# KiCad board BAGEL-MK1.1-revA.kicad_pcb (continued)
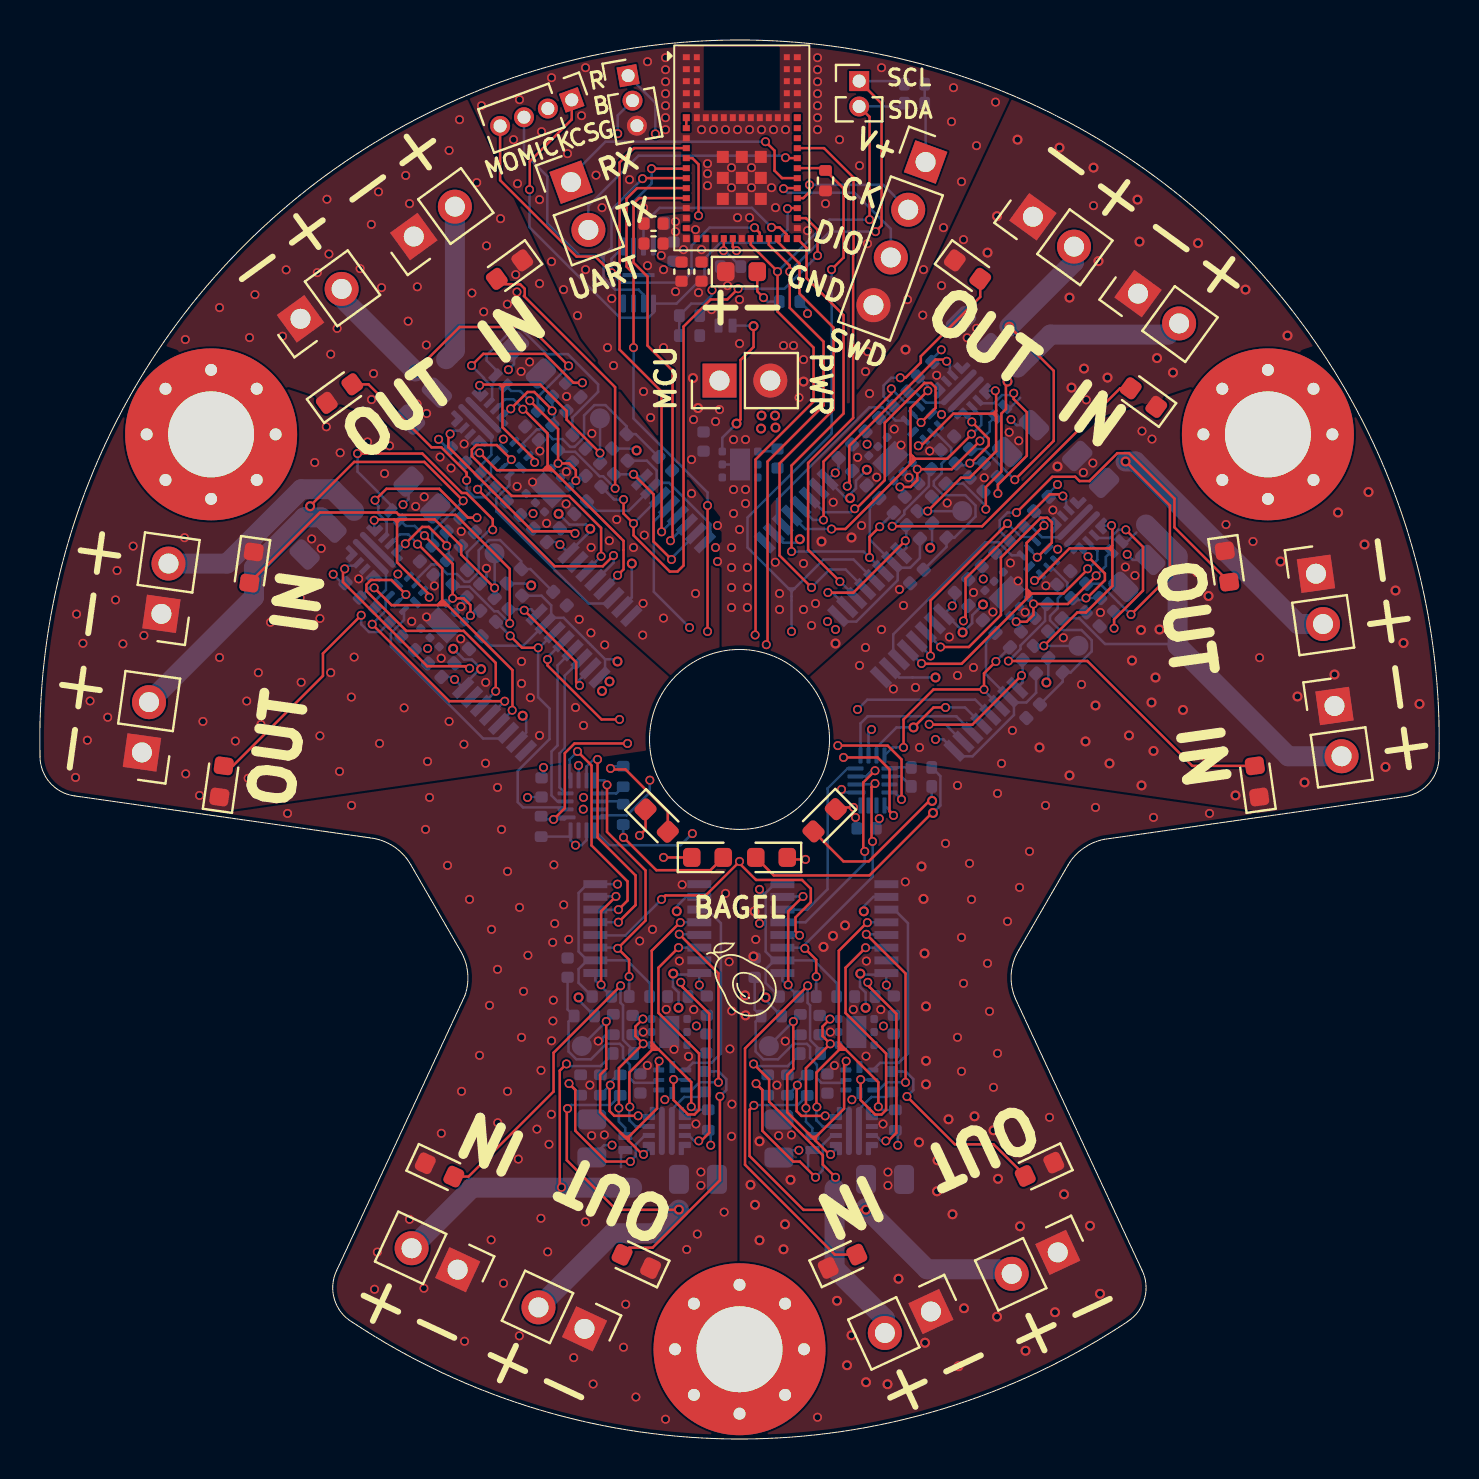
[diagram p0: board, top side]
## Routing (per net, layer and track width the routed paths; a pad name or vN(x,y) marks a point on that pad's centre or on a via; arc(x,y) is an arc through that point) (continued)
/Switch 4/~{Q}: length 10
  Bottom w0.127: U501.11 33.36,26.48 34.04,25.8 34.04,19.28 33.58,18.82 32.65,18.82 32.29,18.46
/Switch 5/PG: length 18.7
  Top w0.127: v1(18.87,44.76) 18.9,44.76 20.11,43.55 20.11,41.94 20,41.83 ; 19.89,41.71 17.58,41.71 v1(16.71,42.58) ; 19.89,41.71 19.88,41.71 20,41.83 ; 19.89,41.71 20.37,41.71 ; 20.14,41.94 20.25,41.83 ; 20.25,41.83 20,41.83 ; 20.25,41.83 20.37,41.71 ; 20.37,41.71 23.62,38.46 23.62,36.47 v1(23.61,36.45)
  Bottom w0.127: v1(18.87,44.76) 18.87,44.79 18.42,45.25 17.98,45.25 U604.3 17.65,44.92 ; R605.2 16.49,42.58 v1(16.71,42.58) ; v1(23.61,36.45) 23.61,36.43 U601.12
/Switch 5/Q: length 16.3
  Top w0.127: 18.27,45.99 19.74,45.99 21.06,44.67 21.06,44.24 v1(22.73,42.57) ; 18.27,45.99 18,45.99 17.85,45.85 ; 18.27,45.99 17.71,45.99 ; 16.73,46.08 16.71,46.1 ; 17.85,45.85 17.85,43.85 19.46,42.25 v1(19.46,42.1) ; 17.85,45.85 17.71,45.99 ; 17.71,45.99 16.75,45.99 v1(16.71,45.95)
  Bottom w0.127: 22.73,42.07 R602.2 22.73,42.57 v1(22.73,42.57) 22.73,42.57 22.73,44.29 J601.1 ; 19.46,42.05 v1(19.46,42.1) 19.46,42.12 U602.3 ; 16.71,46.1 v1(16.71,45.95) 16.71,45.58 U604.1
/Switch 5/Reg_V: length 10.2
  Top w0.127: v1(17.89,43.26) 17.9,43.27 ; v1(18.15,46.74) 18.11,46.74
  Bottom w0.127: C606.1 18.43,47.02 v1(18.15,46.74) ; 20.56,39.62 v2(20.66,39.53) 21.2,38.99 21.59,38.99 22.06,38.53 v2(22.06,38.51) 21.99,38.51 21.15,37.67 U601.16 v1(20.73,37.99) 20.6,38.11 C601.1 20.21,38.25 ; 14.68,43.23 15.11,42.81 R605.1 ; 24.13,35.15 U601.10 24.31,35.33 24.31,36 v2(24.13,36.18) ; v1(17.89,43.26) 17.89,43.31 ; v2(24.56,42.7) 24.47,42.79 R604.1
  vias: v1(14.66,43.25) v1(19.38,39.54)
/Switch 5/~{CLR}: length 10.5
  Bottom w0.127: U602.2 18.8,42.98 19.57,43.74 19.88,43.74 20.36,43.27 20.85,43.27 21.24,42.88 21.46,42.88 21.93,43.35 21.93,44.45 22.45,44.96 23,44.96 24.06,43.91 R604.2 24.52,43.51 C607.2
/Switch 5/~{Q}: length 10
  Bottom w0.127: U602.5 18.2,40.96 17.54,40.31 17.54,39.65 22.16,35.04 23.12,35.04 U601.11
/Switch 6/PG: length 19
  Top w0.127: 25.27,48.58 25.15,48.46 25.16,48.46 ; 25.27,48.58 25.52,48.58 ; 25.27,48.58 25.38,48.69 25.38,50.3 24.18,51.51 v1(24.15,51.51) ; 25.52,48.58 25.64,48.46 ; 25.52,48.58 25.41,48.69 ; 25.16,48.46 22.85,48.46 v1(21.98,49.33) ; 25.16,48.46 25.64,48.46 ; 25.64,48.46 29.18,44.92 29.18,43.5 v1(28.88,43.2)
  Bottom w0.127: U701.12 28.88,43.18 v1(28.88,43.2) ; v1(24.15,51.51) 24.15,51.54 23.69,52 23.25,52 U704.3 22.92,51.67 ; R705.2 21.76,49.33 v1(21.98,49.33)
/Switch 6/Q: length 16.3
  Top w0.127: v1(24.73,48.85) 24.73,49 23.12,50.6 23.12,52.6 ; v1(28,49.32) 26.33,50.99 26.33,51.42 25.01,52.74 23.54,52.74 ; 23.54,52.74 23.27,52.74 23.12,52.6 ; 23.54,52.74 22.98,52.74 ; 22.98,52.74 23.12,52.6 ; 22.98,52.74 22.02,52.74 v1(21.98,52.7) ; 22.01,52.83 21.98,52.85
  Bottom w0.127: J701.1 28,51.04 28,49.32 v1(28,49.32) 28,49.31 R702.2 28,48.82 ; 21.98,52.85 v1(21.98,52.7) 21.98,52.33 U704.1 ; U702.3 24.73,48.87 v1(24.73,48.85) 24.73,48.8
/Switch 6/Reg_V: length 11.5
  Top w0.127: v1(23.17,50.01) 23.17,50.02 ; v1(23.42,53.49) 23.38,53.49
  In1.Cu w0.127: v2(29.59,43.79) 29.58,43.78
  Bottom w0.127: 19.96,49.98 20.38,49.56 R705.1 ; 25.83,46.37 v2(25.93,46.28) 26.47,45.74 27.3,45.74 v2(27.51,45.53) 27.51,45.4 U701.16 ; v2(29.59,43.79) 29.59,42.09 U701.10 29.4,41.9 ; U701.16 v1(26,44.74) 25.88,44.86 C705.1 25.48,45 ; U701.16 26.42,44.42 ; v1(23.42,53.49) 23.7,53.76 C706.1 ; v1(23.17,50.01) 23.17,50.05 ; R704.1 29.74,49.54 v2(29.83,49.45)
  vias: v1(19.93,50) v1(24.65,46.29)
/Switch 6/~{CLR}: length 10.5
  Bottom w0.127: U702.2 24.07,49.73 24.84,50.49 25.15,50.49 25.63,50.01 26.12,50.01 26.51,49.63 26.73,49.63 27.2,50.1 27.2,51.2 27.72,51.71 28.27,51.71 29.33,50.66 R704.2 29.79,50.26 C707.2
/Switch 6/~{Q}: length 10
  Bottom w0.127: U702.5 23.47,47.71 22.81,47.06 22.81,46.4 27.43,41.79 28.39,41.79 U701.11
/Switch_1: length 25.5
  Top w0.127: 41.48,44.15 v1(41.48,44.09) 41.48,45.12 v1(41.99,45.63) ; U102.30 38.33,59.58 38.33,58.07 40.18,56.22 40.18,51.29 37.58,48.69 v1(37.58,44.39)
  Bottom w0.127: R201.1 42.1,45.76 42.1,45.75 v1(41.99,45.63) ; v1(37.58,44.39) 41.18,44.39 v1(41.48,44.09) 41.48,44.09 U201.3
/Switch_2: length 10.9
  Top w0.127: v1(47.8,38.89) 47.2,38.3 v1(47.2,37.49) 44.68,37.49 43.18,35.99 v1(43.18,34.59)
  Bottom w0.127: v1(47.8,38.89) 47.91,39.01 47.91,39.02 R301.1 ; U301.3 47.2,37.44 v1(47.2,37.49) ; U104.8 42.63,34.59 v1(43.18,34.59)
/Switch_3: length 14.5
  Top w0.127: v1(41.75,32.79) 41.58,32.61 41.58,29.94 v1(41.63,29.89) ; v1(38.81,23.13) 38.81,23.97 v1(38.24,24.54)
  Bottom w0.127: U104.2 41.7,32.74 v1(41.75,32.79) ; v1(41.63,29.89) 41.63,28.11 38.24,24.73 v1(38.24,24.54) 38.2,24.57 U401.3 ; v1(38.81,23.13) 38.81,22.96 38.82,22.96 R401.1
/Switch_4: length 14.1
  Top w0.127: v1(29.46,23.13) 29.46,23.97 v1(28.89,24.54) 30.28,25.93 30.28,28.44 28.35,30.37 v1(28.35,32.72)
  Bottom w0.127: v1(28.35,32.72) 28.35,32.82 28.23,32.94 U105.8 ; v1(28.89,24.54) 28.85,24.58 U501.3 ; v1(29.46,23.13) 29.46,22.96 29.46,22.96 R501.1
/Switch_5: length 14.9
  Top w0.127: v1(23.51,40.17) 24.1,39.58 v1(24.91,39.58)
  Bottom w0.127: U105.2 26.18,31.59 24.15,31.59 23.89,31.85 23.89,33.42 25.48,35.01 25.48,36.53 24.91,37.1 24.91,39.57 v1(24.91,39.58) 24.96,39.58 U601.3 ; R601.1 23.38,40.29 23.39,40.29 v1(23.51,40.17)
/Switch_6: length 31.3
  Top w0.127: v1(29.18,46.99) 29.18,46.29 v1(29.68,45.79) 29.68,45.2 31.49,43.39 31.88,43.39 32.18,43.69 32.18,55.64 33.53,57 34.37,57 v1(34.9,57.54) ; U102.32 38.3,61.07 38.88,60.49 v1(38.88,59.19)
  Bottom w0.127: v1(29.68,45.79) 30.98,47.09 U701.3 ; v1(38.88,59.19) 38.48,58.79 37.22,57.54 v1(34.9,57.54) ; R701.1 28.66,47.04 28.66,47.04 28.71,46.99 v1(29.18,46.99)
/UART_RX: length 13.7
  Top w0.127: U102.36 37.1,63.07 36.73,63.44 36.73,64.44 v1(36.28,64.89)
  Bottom w0.127: v1(36.28,64.89) 28.28,64.89 26.55,63.17 J110.1
/UART_TX: length 12.7
  Top w0.127: v1(37.28,64.09) 37.3,64.07 U102.38
  Bottom w0.127: J110.2 27.42,61.68 29.93,64.19 37.18,64.19 v1(37.28,64.09)
/V_out_1: length 20.9
  Top w0.127: v2(48.47,55.63) 48.48,55.63 50.69,53.43 50.69,49.92 v1(48.74,47.98)
  Bottom w0.127: v1(48.74,47.98) 48.72,47.98 47.19,49.52 R208.1 46.75,49.52 ; R210.1 43.74,52.39 44.29,51.84 45.18,51.84 U204.6
  Bottom w1: 51.7,59.64 51.7,58.87 v2(48.47,55.63)
/V_out_2: length 28.8
  Top w0.127: v1(54.55,41.24) 56.5,43.18 56.5,46.69 54.29,48.89 v2(54.28,48.89)
  Bottom w0.127: R310.1 49.55,45.65 50.1,45.1 50.99,45.1 U304.6 ; 52.56,42.78 R308.1 53,42.78 54.53,41.24 v1(54.55,41.24)
  Bottom w1: J104.2 62.91,40.76 54.78,48.89 v2(54.28,48.89)
/V_out_3: length 24.4
  Top w0.127: v2(41.3,11.47) 41.29,11.46 38.17,11.46 35.48,14.16 35.48,16.47 v1(35.69,16.69)
  Bottom w0.127: R410.1 42.34,17.11 41.57,17.11 40.95,16.48 U404.6 ; 38.19,17.01 R408.1 37.88,16.7 35.71,16.7 v1(35.69,16.69)
  Bottom w1: 41.29,11.55 44.36,8.49 48.36,8.49 J106.2
/V_out_4: length 24.5
  Top w0.127: v2(31.94,11.47) 31.94,11.46 28.82,11.46 26.34,13.94 26.34,16.49 v1(26.38,16.53)
  Bottom w0.127: R510.1 32.99,17.11 32.22,17.11 31.59,16.48 31.59,15.41 ; v1(26.38,16.53) 26.55,16.71 28.53,16.71 R508.1 28.83,17.01
  Bottom w1: v2(31.94,11.47) 30.76,10.29 28.63,10.29 J114.2
/V_out_5: length 29.6
  Top w0.127: v2(13.51,46.65) 13.51,46.67 15.71,48.87 19.22,48.87 v1(21.16,46.93)
  Bottom w0.127: R610.1 16.75,41.93 17.3,42.47 17.3,43.36 U604.6 ; 19.62,44.94 R608.1 19.62,45.37 21.16,46.91 v1(21.16,46.93)
  Bottom w1: J116.2 10.7,42.1 10.7,43.58 13.21,46.1 14.06,46.1 C608.1
/V_out_6: length 21.3
  Top w0.127: v2(18.78,53.4) 18.78,53.42 20.98,55.62 24.49,55.62 v1(26.43,53.68)
  Bottom w0.127: v1(26.43,53.68) 26.43,53.66 24.89,52.12 R708.1 24.89,51.69 ; R710.1 22.03,48.68 22.57,49.22 22.57,50.11 U704.6
  Bottom w1: v2(18.78,53.4) 18.76,53.4 15.08,57.09 J118.2
/V_SENSE: length 10.6
  Top w0.127: v1(32.93,61.19) 32.93,63.75 32.62,64.07 U102.10
  In2.Cu w0.127: v1(32.93,61.19) 33.6,60.52 v1(33.6,57.47)
  Bottom w0.127: v1(33.6,57.47) 33.6,57.21 33.18,56.79 32.57,56.79 R111.2 R110.1
/~{Q}_ISO_1: length 26.4
  Top w0.127: v1(40,42.89) 38.41,44.48 38.41,48.82 40.66,51.07 40.66,59.22 40.68,59.24 40.68,63.09 39.2,64.57 U102.39
  Bottom w0.127: U201.6 40.81,42.09 39.99,42.91
/~{Q}_ISO_2: length 7.7
  Bottom w0.127: U301.6 46.62,35.35 45.82,36.15 41.38,36.15 41.03,35.79 U104.5
/~{Q}_ISO_3: length 9.5
  Bottom w0.127: U104.4 40.38,33.54 39.38,32.54 39.38,27.5 38.36,26.48 U401.6
/~{Q}_ISO_4: length 12
  Top w0.127: v1(28.92,26.48) 29.38,26.93 29.38,27.89 27.58,29.69 27.58,33.69 v1(26.88,34.39)
  In1.Cu w0.127: 28.91,26.48 v1(28.92,26.48)
  Bottom w0.127: U105.5 26.53,33.03 26.48,33.08 26.48,33.99 v1(26.88,34.39) ; 28.94,26.47 27.78,26.47 U501.6
/~{Q}_ISO_5: length 7.3
  Bottom w0.127: U105.4 25.98,32.59 25.98,34.29 26.23,34.55 26.23,38.18 27.05,39 U601.6
/~{Q}_ISO_6: length 21.6
  Top w0.127: 31.58,44.98 v1(31.52,44.93) ; 31.58,53.49 30.38,54.69 30.38,58.14 29.68,58.84 29.68,61.79 29.95,62.07 U102.14 ; 31.63,53.49 31.63,44.98
  Bottom w0.127: U701.6 32.32,45.75 31.51,44.93
MCU_GND: length 79.7
  Top w0.127: v1(38.28,28.99) 37.46,28.99 D103.1 37.38,29.09 37.58,29.29 ; D105.1 30.28,30.49 v1(29.98,30.19) ; D104.1 39.88,31.59 v1(40.68,31.59) ; v1(31.18,29.09) D106.1
  Bottom w0.127: 42.89,43.58 43.51,43.58 44,44.07 C202.2 ; 42.89,43.58 U201.2 41.49,44.98 41.49,46.59 R201.2 ; 42.89,43.58 42.89,42.96 40.82,40.89 40.19,40.89 U201.8 ; 30.83,47.82 31.45,47.82 33.52,45.75 33.52,45.13 U701.8 ; 30.83,47.82 30.83,48.45 30.34,48.93 C702.2 ; 30.83,47.82 U701.2 29.43,46.43 27.82,46.43 R701.2 ; 36.28,27.19 36.16,27.31 36.16,27.31 ; 36.28,27.19 36.28,27.31 ; 36.28,27.19 36.28,25.89 ; 25.56,41.07 25.56,41.7 25.07,42.18 C602.2 ; 25.56,41.07 26.18,41.07 28.25,39 ; 25.56,41.07 U601.2 24.16,39.68 22.55,39.68 R601.2 ; R501.2 30.48,22.8 29.34,23.94 U501.2 27.37,23.94 ; 48.7,36.84 U301.2 47.3,38.24 47.3,39.85 R301.2 ; 48.7,36.84 49.32,36.84 49.81,37.33 C302.2 ; 48.7,36.84 48.7,36.22 46.63,34.15 46,34.15 U301.8 45.72,34.44 45.18,34.99 v1(44.78,34.99) ; 36.28,25.69 36.28,24.38 36.72,23.94 ; 36.28,25.69 36.18,25.79 ; 36.28,25.69 36.28,25.89 ; U104.6 41.43,35.34 v1(41.58,35.49) 41.68,35.59 ; 36.16,27.31 36.28,27.31 ; 36.16,27.31 v1(35.98,27.49) ; 27.37,23.94 26.93,24.38 26.93,27.31 27.37,27.75 U501.8 v1(28.88,27.75) ; 27.37,23.94 26.93,23.5 26.93,22.82 27.61,22.13 ; 36.72,23.94 U401.2 38.7,23.94 39.84,22.8 R401.2 ; 36.72,23.94 36.28,23.5 36.28,22.81 C402.2 ; v1(25.18,33.59) 25.18,33.17 C109.2 ; U401.8 36.72,27.75 36.28,27.31 ; 36.18,25.79 36.28,25.89 ; 36.18,25.79 v1(35.98,25.79) ; 26.93,33.74 v1(26.93,33.69) U105.6 ; 28.25,39 28.25,38.38 U601.8 ; 28.25,39 28.76,39 v2(28.88,38.89) ; 27.03,31.36 v1(27.16,31.5) 27.18,31.51 ; U103.5 U103.7 ; 40.88,30.51 C108.2
  vias: v1(22.08,66.69) v1(23.68,64.99) v1(23.88,62.79) v1(23.98,66.99) v1(24.98,61.99) v1(25.08,65.39) v1(25.58,68.09) v1(25.58,58.89) v1(26.18,57.49) v1(26.38,64.29) v1(26.88,56.19) v1(27.08,66.19) v1(27.18,32.09) v1(27.28,68.59) v1(27.28,58.49) v1(27.8,63.22) v1(28.1,61.59) v1(28.38,54.59) v1(28.59,57.04) v1(28.68,53.69) v1(29.48,62.99) v1(30.18,61.59) v1(30.18,52.39) v1(30.38,68.89) v1(30.38,58.69) v1(30.53,51.09) v1(31.18,58.49) v1(31.18,54.59) v1(31.28,69.09) v1(31.28,68.49) v1(31.28,67.89) v1(31.28,67.29) v1(31.28,66.69) v1(31.28,66.09) v1(31.28,65.49) v1(31.78,57.39) v1(32.58,48.99) v1(32.68,50.99) v1(32.78,60.49) v1(32.93,57.34) v1(33.08,65.49) v1(33.38,63.79) v1(33.38,63.29) v1(33.38,62.69) v1(33.58,56.49) v1(33.68,65.49) v1(33.78,50.89) v1(33.78,44.59) v1(33.88,45.69) v1(33.88,43.89) v1(33.98,51.49) v1(34.28,65.49) v1(34.38,57.69) v1(34.58,63.59) v1(34.58,62.59) v1(34.58,44.59) v1(34.58,43.59) v1(34.58,42.59) v1(34.58,41.59) v1(34.68,49.99) v1(34.68,47.49) v1(34.68,46.29) v1(34.88,65.49) v1(34.88,61.09) v1(34.98,56.99) v1(34.98,54.79) v1(34.98,45.49) v1(35.28,49.99) v1(35.28,47.49) v1(35.28,46.79) v1(35.37,43.59) v1(35.37,42.59) v1(35.37,41.59) v1(35.48,65.49) v1(35.48,61.09) v1(35.58,63.59) v1(35.58,62.59) v1(36.08,65.49) v1(36.58,62.59) v1(36.68,65.49) v1(36.78,61.59) v1(37.18,54.69) v1(37.28,65.49) v1(37.68,54.69) v1(37.95,52.09) v1(38.18,53.99) v1(38.38,60.44) v1(38.88,69.09) v1(38.88,68.49) v1(38.88,67.89) v1(38.88,67.29) v1(38.88,66.69) v1(38.88,66.09) v1(38.88,65.49) v1(39.28,61.79) v1(39.38,40.89) v1(39.78,40.49) v1(39.98,64.99) v1(40.78,31.09) v1(40.98,63.69) v1(41.28,53.39) v1(41.38,59.79) v1(41.38,54.39) v1(42.08,68.59) v1(43.38,56.99) v1(44.18,58.49) v1(45.18,60.59) v1(45.58,65.89) v1(45.68,67.59) v1(46.08,62.89) v1(46.83,64.69) v1(47.78,66.87) v2(28.1,37.41) v2(28.48,37.89) v2(32.65,53.07) v2(32.9,51.57) v2(38.18,52.89)
MCU_V: length 59.8
  Top w0.127: v1(44.46,35.75) 44.48,35.73 46.62,35.73 v1(49.08,38.19) ; v1(24.21,41.45) 26.81,38.85 26.81,37.86 v1(26.98,37.69) ; v1(28.8,27.14) 28.06,26.4 v1(28.06,22.72) ; v1(43.27,44.93) 40.67,42.33 39.41,42.33 v1(39.4,42.34) ; 29.71,48.25 v1(29.68,48.25) 30.68,47.25 30.68,44.89 v1(31.58,43.99) ; v1(38.15,27.14) 37.41,26.39 v1(37.41,22.72) ; 43.76,63.87 J108.1
  In1.Cu w0.127: 43.27,44.77 43.27,44.91
  In2.Cu w0.127: v1(26.98,37.69) 26.98,37.59 ; 25.68,32.09 v1(24.38,32.09)
  Bottom w0.127: v1(39.4,42.34) 39.61,42.34 40.33,41.62 U201.7 ; v1(28.8,27.14) 27.79,27.14 U501.7 ; R103.2 26.53,30.13 U105.16 26.53,29.95 v1(26.78,29.7) 27.07,29.7 27.33,29.96 U105.14 ; v1(24.38,32.09) 24.4,32.11 C109.1 ; U701.7 32.79,45.27 31.58,44.05 v1(31.58,43.99) ; C702.1 29.84,48.25 U701.1 ; C202.1 43.32,44.57 U201.1 ; v1(26.98,37.69) 26.98,37.97 27.52,38.52 U601.7 ; U301.7 46.14,34.88 45.27,35.75 v1(44.46,35.75) ; C402.1 37.12,22.93 U401.1 ; C302.1 49.13,37.83 U301.1 ; v1(31.06,59.2) 31.06,59.26 ; 28.57,22.13 27.77,22.94 U501.1 ; U101.8 30.68,59.58 ; v1(38.38,56.29) 38.38,56.5 R104.2 ; v1(38.15,27.14) 37.14,27.14 U401.7 ; C602.1 24.57,41.5 U601.1 ; J108.1 44.28,66.69 44.24,66.73 R109.2 R112.2 ; C107.1 36.75,49.39 U103.1
  vias: v1(31.78,60.89) v1(31.78,60.39) v1(32.18,59.49) v1(33.08,59.49) v1(41.97,31.03) v2(36.08,51.19) v2(36.05,50.54) v2(36.75,51.19) v2(36.78,50.59)
Net-(D101-K): length 8
  Top w0.127: v2(35.68,55.67) 35.68,54.62 35.03,53.97 35.03,50.99 v2(34.83,50.79)
  Bottom w0.127: U103.6 34.11,50.08 v2(34.83,50.79) ; D101.1 35.65,55.69 v2(35.68,55.67)
Net-(D102-A): length 2.3
  Top w0.127: v1(36.18,57.09) 35.86,57.4 D102.2
  Bottom w0.127: R104.1 36.38,56.89 v1(36.18,57.09)
Net-(D103-A): length 13.1
  Top w0.127: v2(44.65,31.32) 44.6,31.32 41.48,28.19 36.69,28.19 D103.2
  Bottom w0.127: R105.2 45.02,33.16 45.02,31.68 v2(44.65,31.32)
Net-(D104-A): length 8.5
  Top w0.127: D104.2 40.18,28.89 41.44,28.89 44.46,31.92 v2(44.61,31.92)
  Bottom w0.127: R106.2 44.59,31.94 v2(44.61,31.92)
Net-(D105-A): length 5.4
  Top w0.127: D105.2 31.39,31.38 29.28,33.49 28.58,33.49 v1(28.53,33.54)
  Bottom w0.127: R107.2 28.64,33.65 v1(28.53,33.54)
Net-(D106-A): length 6.6
  Top w0.127: D106.2 33.52,28.45 30.82,28.45 v1(29.18,30.09)
  Bottom w0.127: R108.2 29.16,30.27 29.18,30.25 v1(29.18,30.09)
Net-(D201-K): length 8.3
  Top w0.127: v1(43.86,48.51) 43.87,48.5 43.88,48.5 ; v1(43.86,48.51) 45.59,48.51 v1(47,49.92) ; v1(43.86,48.51) 43.86,47.96 43.53,47.62 v1(43,47.62)
  Bottom w0.127: U203.6 43.24,47.38 C204.1 ; v1(47,49.92) 47.49,50.41 47.49,50.86 47.76,51.13 D201.1 ; v1(43.86,48.51) 43.86,48.51 43.86,48.59 U203.4
Net-(D202-A): length 18.4
  Top w0.127: v1(42.61,45.65) 47.11,45.65 54.01,52.55 D202.2
  Bottom w0.127: R203.2 44.44,48.4 44.44,47.66 43.22,46.43 43.22,46.25 42.62,45.65 v1(42.61,45.65)
Net-(D203-A): length 9
  Top w0.127: D203.2 47.01,57.13 44.04,54.15 44.04,53.84 43.28,53.08 v1(43.02,53.08)
  Bottom w0.127: v1(43.02,53.08) 42.57,53.08 42.18,52.69 42.18,52.15 R210.2
Net-(D301-K): length 8.3
  Top w0.127: 49.69,41.76 49.68,41.76 v1(49.67,41.77) ; v1(52.81,43.18) 51.4,41.77 v1(49.67,41.77) ; v1(48.81,40.88) 49.34,40.88 49.67,41.22 v1(49.67,41.77)
  Bottom w0.127: D301.1 53.57,44.39 53.3,44.12 53.3,43.67 v1(52.81,43.18) ; U303.4 49.67,41.85 49.67,41.77 v1(49.67,41.77) ; U303.6 49.05,40.64 C304.1
Net-(D302-A): length 18.2
  Top w0.127: v1(48.42,38.91) 52.37,38.91 57.61,33.67 D302.2
  Bottom w0.127: R303.2 50.25,41.66 50.25,40.92 49.03,39.69 49.03,39.51 48.43,38.91 v1(48.42,38.91)
Net-(D303-A): length 17.8
  Top w0.127: v1(48.83,46.34) 50.62,48.13 51.76,48.13 51.98,47.92 52.47,47.92 53.87,49.31 54.45,49.31 56.72,47.03 56.72,45.6 D303.2
  Bottom w0.127: v1(48.83,46.34) 48.38,46.34 47.99,45.95 47.99,45.41 R310.2
Net-(D401-K): length 8.3
  Top w0.127: v1(39.52,19.77) 38.3,18.55 v1(38.3,16.55) ; v1(39.52,19.77) 39.13,20.15 39.13,20.63 v1(39.5,21) ; v1(39.52,19.77) 39.5,19.77 39.5,19.77
  Bottom w0.127: C404.1 39.16,21 U403.6 ; U403.4 39.58,19.7 39.52,19.77 v1(39.52,19.77) ; D401.1 38.62,15.16 38.62,15.54 38.3,15.86 v1(38.3,16.55)
Net-(D402-A): length 21.4
  Top w0.127: D402.2 39.74,9.22 35.25,13.72 35.25,19.54 v1(38.39,22.67)
  Bottom w0.127: R403.2 39.03,19.43 38.51,19.96 38.51,21.69 38.38,21.82 38.38,22.67 v1(38.39,22.67)
Net-(D403-A): length 10
  Top w0.127: v1(43.35,17.13) 45.74,14.74 47.68,14.74 D403.2
  In1.Cu w0.127: 43.48,17.01 43.36,17.13
  Bottom w0.127: R410.2 43.29,18.38 43.67,18 43.67,17.45 v1(43.35,17.13)
Net-(D501-K): length 8.3
  Top w0.127: v1(30.15,21.01) 29.77,20.64 29.77,20.16 v1(30.16,19.77) ; 30.15,19.77 30.15,19.77 v1(30.16,19.77) ; v1(28.94,16.56) 28.94,18.55 v1(30.16,19.77)
  Bottom w0.127: U503.4 30.22,19.71 v1(30.16,19.77) ; C504.1 29.81,21.01 U503.6 ; v1(28.94,16.56) 28.94,15.87 29.26,15.55 29.26,15.16 D501.1
Net-(D502-A): length 17.1
  Top w0.127: v1(29.03,22.67) 25.68,19.32 25.68,17.38 21.43,13.13 D502.2
  Bottom w0.127: v1(29.03,22.67) 29.03,22.67 29.03,21.82 29.15,21.7 29.15,19.96 29.68,19.43 R503.2
Net-(D503-A): length 12.9
  Top w0.127: D503.2 29.46,9.57 30.63,9.57 34,12.94 v1(34,17.13)
  Bottom w0.127: v1(34,17.13) 34.31,17.45 34.31,18 33.93,18.38 R510.2
Net-(D601-K): length 8.3
  Top w0.127: v1(20.63,42.05) 21.18,42.05 21.52,41.71 v1(21.52,41.19) ; v1(20.63,42.05) 20.64,42.06 20.64,42.06 ; v1(20.63,42.05) 20.63,43.77 v1(19.22,45.18)
  Bottom w0.127: C604.1 21.76,41.42 U603.6 ; v1(19.22,45.18) 18.73,45.67 18.28,45.67 18.01,45.94 D601.1 ; v1(20.63,42.05) 20.63,42.05 20.55,42.05 U603.4
Net-(D602-A): length 22
  Top w0.127: D602.2 14,46.34 17.83,46.34 17.94,46.22 20.78,46.22 23.49,43.52 v1(23.49,40.8)
  Bottom w0.127: R603.2 20.74,42.63 21.48,42.63 22.71,41.4 22.89,41.4 23.49,40.8 v1(23.49,40.8)
Net-(D603-A): length 12.9
  Top w0.127: v1(16.06,41.2) 14.15,39.29 14.15,38.17 9.65,33.67 D603.2
  Bottom w0.127: R610.2 16.99,40.36 16.45,40.36 16.06,40.75 v1(16.06,41.2)
Net-(D701-K): length 8.3
  Top w0.127: v1(25.9,48.8) 26.45,48.8 26.79,48.46 v1(26.79,47.93) ; v1(25.9,48.8) 25.9,50.52 v1(24.49,51.93) ; v1(25.9,48.8) 25.91,48.81 25.91,48.81
  Bottom w0.127: v1(24.49,51.93) 24.01,52.42 23.56,52.42 23.28,52.69 D701.1 ; C704.1 27.03,48.17 U703.6 ; v1(25.9,48.8) 25.82,48.8 U703.4
Net-(D702-A): length 17.2
  Top w0.127: v1(28.76,47.54) 28.76,52.61 24.2,57.17 24.24,57.21 24.24,57.53 24.01,57.76 23.69,57.76 23.65,57.72 23.61,57.76 23.11,57.76 D702.2
  Bottom w0.127: R703.2 26.01,49.38 26.75,49.38 27.98,48.15 28.16,48.15 28.76,47.55 v1(28.76,47.54)
Net-(D703-A): length 10.2
  Top w0.127: v1(21.33,47.95) 21.33,48.34 20.07,49.6 19.58,49.6 16.42,52.75 D703.2
  Bottom w0.127: R710.2 22.26,47.11 21.72,47.11 21.33,47.5 v1(21.33,47.95)
Net-(U102-ANT_IN): length 0.5
  Top w0.127: U102.7 U102.6
Net-(U201-OUTA): length 13.8
  Top w0.127: v1(44.05,50.84) 44.78,51.57 44.78,52.59 44.55,52.82 44.23,52.82 42.24,50.83 42.24,47.96 40.81,46.53 v1(40.74,46.53)
  Bottom w0.127: 43.7,51.29 U202.6 43.64,51.26 v1(44.05,50.84) 44.07,50.83 ; v1(40.74,46.53) 40.56,46.36 39.21,46.36 U201.14
Net-(U201-OUTB): length 11.2
  Top w0.127: v1(39.17,45.97) 39.18,45.97 39.18,48.89 42.57,52.28 v1(42.57,52.53)
  Bottom w0.127: v1(42.57,52.53) 43.24,51.86 43.78,51.86 U202.7 ; U201.13 38.03,46.59 38.65,45.97 v1(39.17,45.97)
Net-(U204-ILM): length 10.4
  Top w0.127: v1(40.36,47.66) 40.47,47.76 40.47,47.91 40.47,47.91 40.47,49.68 44.78,53.99 45.23,53.99 45.31,53.91 v1(45.34,53.91)
  Bottom w0.127: U204.9 45.5,53.36 45.5,53.74 v1(45.34,53.91) ; v1(40.36,47.66) 40.46,47.75 40.46,48.27 R206.2
Net-(U204-OVLO/OVCSEL): length 9.2
  Top w0.127: v1(47.9,47.29) 47.9,47.73 49.34,49.18 49.34,51.36 48.69,52.01 v1(48.69,52.31)
  Bottom w0.127: U204.2 47.05,51.81 ; U204.2 47.08,51.78 ; U204.2 47.05,51.81 47.69,51.81 48.1,52.22 48.48,52.22 48.57,52.31 v1(48.69,52.31) ; v1(47.9,47.29) R207.1
Net-(U204-PGTH/NFLT): length 4.9
  Top w0.127: v1(46.49,48.81) 46.54,48.81 47.44,49.7 47.44,50.03 v1(46.59,50.87)
  Bottom w0.127: R209.1 47.2,48.81 v1(46.49,48.81) 46.47,48.81 46.37,48.71 45.72,48.71 ; v1(46.59,50.87) 46.29,51.17 46.29,51.26 U204.4
Net-(U301-OUTA): length 13.8
  Top w0.127: v1(49.86,44.1) 50.59,44.83 50.59,45.85 50.36,46.08 50.04,46.08 48.05,44.09 48.05,41.22 46.45,39.62 v1(45.03,39.62)
  Bottom w0.127: v1(45.03,39.62) 45.02,39.62 U301.14 ; 49.88,44.09 v1(49.86,44.1) 49.45,44.52 U302.6 49.51,44.55
Net-(U301-OUTB): length 11
  Top w0.127: v1(44.53,39.17) 44.53,41.94 v1(48.38,45.79)
  Bottom w0.127: v1(44.53,39.17) 43.84,39.85 U301.13 ; U302.7 49.59,45.12 49.05,45.12 v1(48.38,45.79)
Net-(U304-ILM): length 10.5
  Top w0.127: v1(46.17,40.92) 46.28,41.02 46.28,41.17 46.28,41.17 46.28,43.04 50.49,47.25 51.04,47.25 51.12,47.17 v1(51.15,47.17)
  Bottom w0.127: R306.2 46.27,41.53 46.27,41.01 v1(46.17,40.92) ; v1(51.15,47.17) 51.31,47 51.31,46.62 U304.9
Net-(U304-OVLO/OVCSEL): length 8.9
  Top w0.127: v1(54.29,45.48) 55.15,44.62 55.15,42.44 53.71,40.99 v1(53.71,40.55)
  Bottom w0.127: v1(53.71,40.55) R307.1 ; U304.2 52.86,45.07 53.5,45.07 53.91,45.48 v1(54.29,45.48) ; U304.2 52.89,45.04 ; U304.2 52.86,45.07
Net-(U304-PGTH/NFLT): length 4.9
  Top w0.127: v1(52.3,42.07) 52.35,42.07 53.25,42.96 53.25,43.29 v1(52.4,44.13)
  Bottom w0.127: R309.1 53.01,42.07 v1(52.3,42.07) 52.28,42.07 52.18,41.97 51.53,41.97 ; U304.4 52.1,44.52 52.1,44.43 v1(52.4,44.13)
Net-(U401-OUTA): length 13.8
  Top w0.127: v1(41.03,17.98) 41.03,16.95 41.76,16.23 42.08,16.23 42.31,16.46 42.31,19.28 40.28,21.31 40.28,23.57 v1(41.28,24.57)
  Bottom w0.127: 41.02,17.98 v1(41.03,17.98) 41.62,17.98 U402.6 41.6,17.91 ; v1(41.28,24.57) 41.28,24.57 U401.14
Net-(U401-OUTB): length 11
  Top w0.127: v1(43.28,17.84) 43.28,23.28 v1(41.32,25.25)
  Bottom w0.127: v1(41.32,25.25) 42.28,25.25 U401.13 ; U402.7 41.94,17.45 42.33,17.84 v1(43.28,17.84)
Net-(U404-ILM): length 10.5
  Top w0.127: v1(42.29,14.91) 42.31,14.92 42.43,14.92 42.82,15.31 42.82,21.27 41.5,22.59 41.49,22.59 41.39,22.69 v1(41.39,22.84)
  Bottom w0.127: v1(41.39,22.84) 41.39,22.71 41.76,22.34 R406.2 ; U404.9 41.79,15.18 42.07,14.91 v1(42.29,14.91)
Net-(U404-OVLO/OVCSEL): length 10
  Top w0.127: v1(38.78,13.09) 37.99,13.88 37.66,13.88 36.12,15.42 36.12,17.46 v1(35.8,17.78)
  Bottom w0.127: U404.2 39.56,15.18 ; U404.2 39.59,15.18 ; U404.2 39.6,15.18 39.14,14.72 39.14,13.46 v1(38.78,13.09) ; v1(35.8,17.78) R407.1
Net-(U404-PGTH/NFLT): length 4.9
  Top w0.127: v1(39.26,16.16) 38.07,16.16 37.83,16.4 37.83,17.66 v1(37.87,17.7)
  Bottom w0.127: U404.4 39.74,16.1 39.69,16.16 v1(39.26,16.16) ; 38.35,18.31 37.89,17.86 37.89,17.71 v1(37.87,17.7) 37.37,17.2 R409.1
Net-(U501-OUTA): length 13.8
  Top w0.127: v1(31.68,17.98) 31.68,16.95 32.4,16.23 32.72,16.23 32.95,16.46 32.95,19.28 30.92,21.31 30.92,23.57 v1(31.93,24.58)
  Bottom w0.127: U501.14 31.93,24.58 v1(31.93,24.58) ; 32.25,17.91 32.29,17.96 32.27,17.98 v1(31.68,17.98) 31.66,17.98
Net-(U501-OUTB): length 11
  Top w0.127: v1(31.96,25.25) 33.92,23.29 v1(33.92,17.84)
  Bottom w0.127: v1(31.96,25.25) 32.93,25.25 U501.13 ; 32.29,17.46 32.59,17.46 32.97,17.84 v1(33.92,17.84)
Net-(U504-ILM): length 10.5
  Top w0.127: v1(32.04,22.84) 32.04,22.7 32.14,22.59 32.14,22.59 33.47,21.27 33.47,15.32 33.08,14.93 32.96,14.93 v1(32.94,14.91)
  Bottom w0.127: R506.2 32.4,22.35 32.04,22.71 v1(32.04,22.84) ; v1(32.94,14.91) 32.71,14.91 32.44,15.18 32.24,15.18
Net-(U504-OVLO/OVCSEL): length 8.9
  Top w0.127: v1(29.52,13.88) 28.31,13.88 26.77,15.42 26.77,17.46 v1(26.45,17.78)
  Bottom w0.127: U504.2 30.24,15.18 29.79,14.73 29.79,14.15 v1(29.52,13.88) ; U504.2 30.24,15.18 ; U504.2 30.21,15.18 ; v1(26.45,17.78) R507.1
Net-(U504-PGTH/NFLT): length 4.9
  Top w0.127: v1(28.52,17.7) 28.48,17.66 28.48,16.4 28.71,16.17 v1(29.91,16.17)
  Bottom w0.127: v1(29.91,16.17) 30.33,16.17 30.39,16.11 U504.4 ; 28.99,18.32 28.53,17.86 28.53,17.72 v1(28.52,17.7) 28.02,17.2 R509.1
Net-(U601-OUTA): length 13.8
  Top w0.127: v1(18.3,42.24) 17.57,42.97 16.55,42.97 16.32,42.74 16.32,42.42 18.31,40.42 21.18,40.42 22.78,38.82 v1(22.78,37.4)
  Bottom w0.127: 18.31,42.25 v1(18.3,42.24) 17.88,41.82 U602.6 17.85,41.89 ; v1(22.78,37.4) 22.78,37.4 U601.14
Net-(U601-OUTB): length 11
  Top w0.127: v1(16.61,40.75) 20.46,36.9 v1(23.23,36.9)
  Bottom w0.127: U601.13 22.55,36.22 v1(23.23,36.9) ; U602.7 17.28,41.97 17.28,41.43 v1(16.61,40.75)
Net-(U604-ILM): length 10.5
  Top w0.127: v1(21.48,38.55) 21.38,38.65 21.23,38.65 21.23,38.65 19.36,38.65 15.15,42.86 15.15,43.41 15.23,43.5 v1(15.23,43.52)
  Bottom w0.127: U604.9 15.78,43.68 15.4,43.68 v1(15.23,43.52) ; R606.2 20.87,38.64 21.39,38.64 v1(21.48,38.55)
Net-(U604-OVLO/OVCSEL): length 9.4
  Top w0.127: v1(16.75,46.96) 17.32,47.53 19.96,47.53 21.41,46.08 v1(21.85,46.08)
  Bottom w0.127: U604.2 17.33,45.24 ; U604.2 17.36,45.26 ; U604.2 17.33,45.24 17.33,45.88 16.92,46.29 16.92,46.67 16.75,46.84 v1(16.75,46.96) ; v1(21.85,46.08) R607.1
Net-(U604-PGTH/NFLT): length 4.9
  Top w0.127: v1(18.27,44.78) 19.11,45.62 19.44,45.62 20.33,44.73 v1(20.33,44.68)
  Bottom w0.127: R609.1 20.33,45.38 v1(20.33,44.68) 20.33,44.65 20.43,44.55 20.43,43.9 ; v1(18.27,44.78) 17.97,44.48 17.88,44.48 U604.4
Net-(U701-OUTA): length 13.8
  Top w0.127: v1(28.06,44.15) 28.06,45.57 26.46,47.17 23.59,47.17 21.59,49.17 21.59,49.49 21.82,49.72 22.84,49.72 v1(23.57,48.99)
  Bottom w0.127: v1(28.06,44.15) U701.14 ; 23.58,49 v1(23.57,48.99) 23.15,48.57 U702.6 23.12,48.64
Net-(U701-OUTB): length 12
  Top w0.127: v1(21.88,47.5) 25.73,43.65 28.14,43.65 v1(28.68,44.19)
  Bottom w0.127: v1(21.88,47.5) 22.55,48.17 22.55,48.72 U702.7 ; v1(28.68,44.19) 28.68,43.82 27.82,42.97 U701.13
Net-(U704-ILM): length 10.5
  Top w0.127: v1(20.51,50.27) 20.51,50.25 20.42,50.16 20.42,49.61 24.63,45.4 26.5,45.4 26.5,45.4 26.65,45.4 v1(26.75,45.3)
  Bottom w0.127: v1(26.75,45.3) 26.66,45.39 26.14,45.39 R706.2 ; U704.9 21.05,50.43 20.67,50.43 v1(20.51,50.27)
Net-(U704-OVLO/OVCSEL): length 10
  Top w0.127: v1(27.12,52.83) 26.68,52.83 25.23,54.28 22.16,54.28 v1(21.58,53.69)
  Bottom w0.127: U704.2 22.61,51.99 ; U704.2 22.63,52.01 ; U704.2 22.6,51.98 22.6,52.63 22.19,53.04 22.19,53.07 v1(21.58,53.69) ; v1(27.12,52.83) R707.1
Net-(U704-PGTH/NFLT): length 4.9
  Top w0.127: v1(25.61,51.43) 25.61,51.48 24.71,52.37 24.38,52.37 v1(23.54,51.53)
  Bottom w0.127: R709.1 25.61,52.13 v1(25.61,51.43) 25.61,51.4 25.71,51.3 25.71,50.65 ; v1(23.54,51.53) 23.24,51.23 23.15,51.23 U704.4

## Copper pours and planes (outline as drawn; the poured copper is in the pictures)
/CoinCell_V on Bottom: 33,52.04 34.93,52.04 34.93,54.24 34.18,55.74 34.18,56.09 33.68,56.09 33.28,55.59 32.68,55.59 32.68,54.79 33,54.59
/EXP_RESET on In2.Cu: 40.78,34.99 29.18,34.99
/GPIO_Clock on In2.Cu: 41.18,34.99 28.78,34.99
/I2C_SCL on In2.Cu: 39.98,34.99 29.98,34.99
/I2C_SDA on In2.Cu: 40.38,34.99 29.58,34.99
/SubBatt_GND1 on Top, Bottom, In1.Cu: 35.98,45.98 35.98,38.95 34.98,34.99 52.98,50.99 64.98,54.99 49.98,69.99 42.98,54.99
/SubBatt_GND2 on Top, Bottom, In1.Cu: 34.98,34.99 52.98,50.99 64.98,54.99 69.98,49.99 69.98,29.99
/SubBatt_GND3 on Top, Bottom, In1.Cu: 34.98,34.99 69.98,29.99 69.98,19.99 49.98,-0.01 34.98,-0.01
/SubBatt_GND4 on Top, Bottom, In1.Cu: 34.98,34.99 -0.02,29.99 -0.02,19.99 19.98,-0.01 34.98,-0.01
/SubBatt_GND5 on Top, Bottom, In1.Cu: 34.98,34.99 16.98,50.99 4.98,54.99 -0.02,49.99 -0.02,29.99
/SubBatt_GND6 on Top, Bottom, In1.Cu: 33.98,38.99 34.98,34.99 16.98,50.99 4.98,54.99 19.98,69.99 26.98,54.99 33.98,45.99
/SubBatt_V1 on Bottom: 45.25,51.56 47.33,53.64 48.86,54.76 50.64,53.03 49.14,51.58 47.89,52.78 47.28,52.89 45.63,51.24
/SubBatt_V2 on Bottom: 51.06,44.82 53.14,46.9 54.32,47.76 56.14,46 54.95,44.84 53.7,46.04 53.09,46.15 51.44,44.5
/SubBatt_V3 on Bottom: 40.7,16.62 40.7,13.69 40.4,11.81 37.93,11.78 37.96,13.87 39.69,13.9 40.2,14.26 40.2,16.59
/SubBatt_V4 on Bottom: 31.34,16.63 31.34,13.69 31.05,11.82 28.57,11.78 28.61,13.87 30.34,13.9 30.85,14.26 30.85,16.59
/SubBatt_V5 on Bottom: 17.58,43.44 15.5,45.51 14.38,47.05 16.11,48.82 17.56,47.32 16.36,46.07 16.25,45.46 17.9,43.81
/SubBatt_V6 on Bottom: 22.85,50.19 20.77,52.26 19.66,53.8 21.38,55.57 22.83,54.07 21.63,52.82 21.52,52.21 23.17,50.56
/Switch 1/Reg_V on Bottom: 46.16,50.16 45.29,51.03 45.36,51.31 45.16,51.51 44.89,51.46 44.69,51.66 44.21,51.18 45.71,49.71
/Switch 1/Reg_V on Bottom: 41.21,49.78 40.64,50.43 41.19,50.98 41.89,50.38 41.64,48.43 41.44,48.18 40.99,48.58 41.14,49.18
/Switch 1/Reg_V on In2.Cu: 35.98,38.99 34.98,34.99 52.98,50.99 64.98,54.99 49.98,69.99 42.98,54.99 35.98,45.99
/Switch 2/Reg_V on Bottom: 47.02,43.04 46.45,43.69 47,44.24 47.7,43.64 47.45,41.69 47.25,41.44 46.8,41.84 46.95,42.44
/Switch 2/Reg_V on Bottom: 49.98,44.49 50.48,44.89 50.88,44.82 51.18,44.49 52.08,43.29 51.58,42.79
/Switch 2/Reg_V on In2.Cu: 52.98,50.99 64.98,54.99 69.98,49.99 69.98,29.99 34.98,34.99
/Switch 3/Reg_V on Bottom: 42.29,20.74 43.16,20.69 43.15,19.91 42.24,19.84 41.04,21.4 41,21.71 41.6,21.75 41.92,21.22
/Switch 3/Reg_V on Bottom: 39.06,16.98 40.3,16.98 40.44,16.73 40.72,16.73 40.88,16.96 41.16,16.96 41.16,17.63 39.06,17.61
/Switch 3/Reg_V on In2.Cu: 34.98,34.99 69.98,29.99 69.98,19.99 49.98,-0.01 34.98,-0.01
/Switch 4/Reg_V on Bottom: 29.58,17.59 29.68,16.99 31.08,16.69 31.58,16.79 31.88,17.09 31.78,17.59
/Switch 4/Reg_V on Bottom: 32.94,20.74 33.81,20.69 33.8,19.91 32.88,19.84 31.68,21.4 31.65,21.72 32.25,21.75 32.57,21.22
/Switch 4/Reg_V on In2.Cu: 34.98,34.99 -0.02,29.99 -0.02,19.99 19.98,-0.01 34.98,-0.01
/Switch 5/Reg_V on Bottom: 17.48,42.99 17.58,43.39 17.98,43.69 19.08,44.39 19.58,43.89 17.88,42.39
/Switch 5/Reg_V on Bottom: 19.36,39.4 18.71,38.82 18.16,39.38 18.76,40.08 20.71,39.82 20.96,39.62 20.56,39.17 19.96,39.32
/Switch 5/Reg_V on In2.Cu: 34.98,34.99 16.98,50.99 13.07,52.23 4.98,54.99 -0.02,49.99 -0.02,29.99
/Switch 6/Reg_V on Bottom: 24.26,51.1 23.38,50.22 23.11,50.3 22.91,50.1 22.96,49.82 22.76,49.62 23.23,49.15 24.71,50.65
/Switch 6/Reg_V on Bottom: 24.63,46.15 23.98,45.57 23.43,46.13 24.03,46.83 25.98,46.57 26.23,46.37 25.83,45.92 25.23,46.07
/Switch 6/Reg_V on In2.Cu: 33.98,45.99 33.98,38.99 34.98,34.99 16.98,50.99 13.14,52.25 4.98,54.99 19.98,69.99 26.98,54.99
/V_out_1 on Bottom: 44.95,51.89 46.78,53.76 46.4,54.39 47.68,55.64 48.42,56.33 49.21,55.66 48.22,54.61 46.55,52.94 45.25,51.61
/V_out_2 on Bottom: 50.76,45.15 52.59,47.02 52.21,47.65 53.49,48.9 54.23,49.59 55.02,48.92 54.03,47.87 52.36,46.2 51.06,44.87
/V_out_3 on Bottom: 41.14,16.61 41.17,13.99 41.88,13.81 41.86,12.03 41.83,11.01 40.79,10.93 40.75,12.38 40.75,14.73 40.73,16.59
/V_out_4 on Bottom: 31.78,16.61 31.82,13.99 32.53,13.82 32.51,12.03 32.48,11.02 31.44,10.93 31.4,12.38 31.4,14.74 31.38,16.59
/V_out_5 on Bottom: 17.25,43.14 15.38,44.96 14.75,44.59 13.5,45.86 12.81,46.6 13.48,47.4 14.53,46.4 16.2,44.74 17.53,43.44
/V_out_6 on Bottom: 22.52,49.89 20.65,51.71 20.02,51.34 18.77,52.61 18.08,53.35 18.76,54.15 19.81,53.15 21.47,51.49 22.8,50.19
MCU_GND on Top, Bottom, In1.Cu: 42.98,54.99 35.98,45.99 35.98,38.99 34.98,34.99 33.98,38.99 33.98,45.99 26.98,54.99 19.98,69.99 49.98,69.99
MCU_GND on Bottom: 27.38,37.89 28.28,38.79 28.28,38.99 28.88,39.29 29.28,38.89 28.78,37.79 28.08,37.09 27.38,37.79
MCU_GND on Bottom: 26.78,32.69 27.48,32.69 27.48,30.79 26.78,30.79
MCU_GND on Bottom: 40.48,34.74 42.28,34.74 42.28,30.24 40.58,30.24
MCU_GND on Bottom: 39.58,41.79 40.58,40.79 39.78,40.19 39.08,40.89 39.28,41.49
MCU_GND on Bottom: 33.68,46.39 33.48,45.29 32.78,44.49 33.98,43.09 33.98,45.99
MCU_GND on In1.Cu: 44.98,34.99 24.98,34.99
MCU_V on Top: 32.53,60.84 32.53,61.29 32.13,61.29 30.88,61.14 30.88,58.99 31.78,58.59 33.43,58.59 33.48,59.84 33.48,60.24 33.08,60.24 33.08,59.79 32.53,59.79 32.53,60.29 32.08,60.29 32.08,60.84
MCU_V on Bottom: 31.98,61.09 32.38,59.69 32.38,59.39 31.18,58.99 30.68,58.99 30.48,59.19 30.48,60.09 31.08,61.09
MCU_V on Bottom: 26.78,30.93 26.78,29.73 24.58,29.76 24.58,30.46 25.48,30.48 25.63,30.98
MCU_V on Bottom: 41.3,32.12 41.98,32.12 42.15,30.82 42.08,30.24 41.53,30.24 41.33,31.29
MCU_V on Bottom: 35.65,49.17 37.23,49.17 37.2,51.59 35.65,51.59
MCU_V on In2.Cu: 42.98,54.99 35.98,45.99 35.98,38.99 34.98,34.99 33.98,38.99 33.98,45.99 26.98,54.99 19.98,69.99 49.98,69.99
MCU_V on In2.Cu: 44.98,34.99 24.98,34.99
Net-(D101-K) on Bottom: 32.8,50.02 34.38,50.02 34.38,47.57 32.8,47.57

## Text on the board
B.Silkscreen: +-
F.Silkscreen: SCL | SDA | R | B | G | MO | MI | CK | CS | BAGEL | RX | TX | UART | MCU | PWR | SWD | GND | DIO | V+ | OUT | IN | +-
